# Altium PCB KASLI-DIOT-CPU.PcbDoc (part 4 of 5)
Units mm, origin at the board's own origin, x right, y up, seen from the top; angles counter-clockwise.
Board outline 123.3 x 102 mm, 4 copper layers (Top Layer, Layer 1, Layer 2, Bottom Layer), stack 1.571 mm thick; 359 components, 345 nets, 1634 pads, 949 vias.
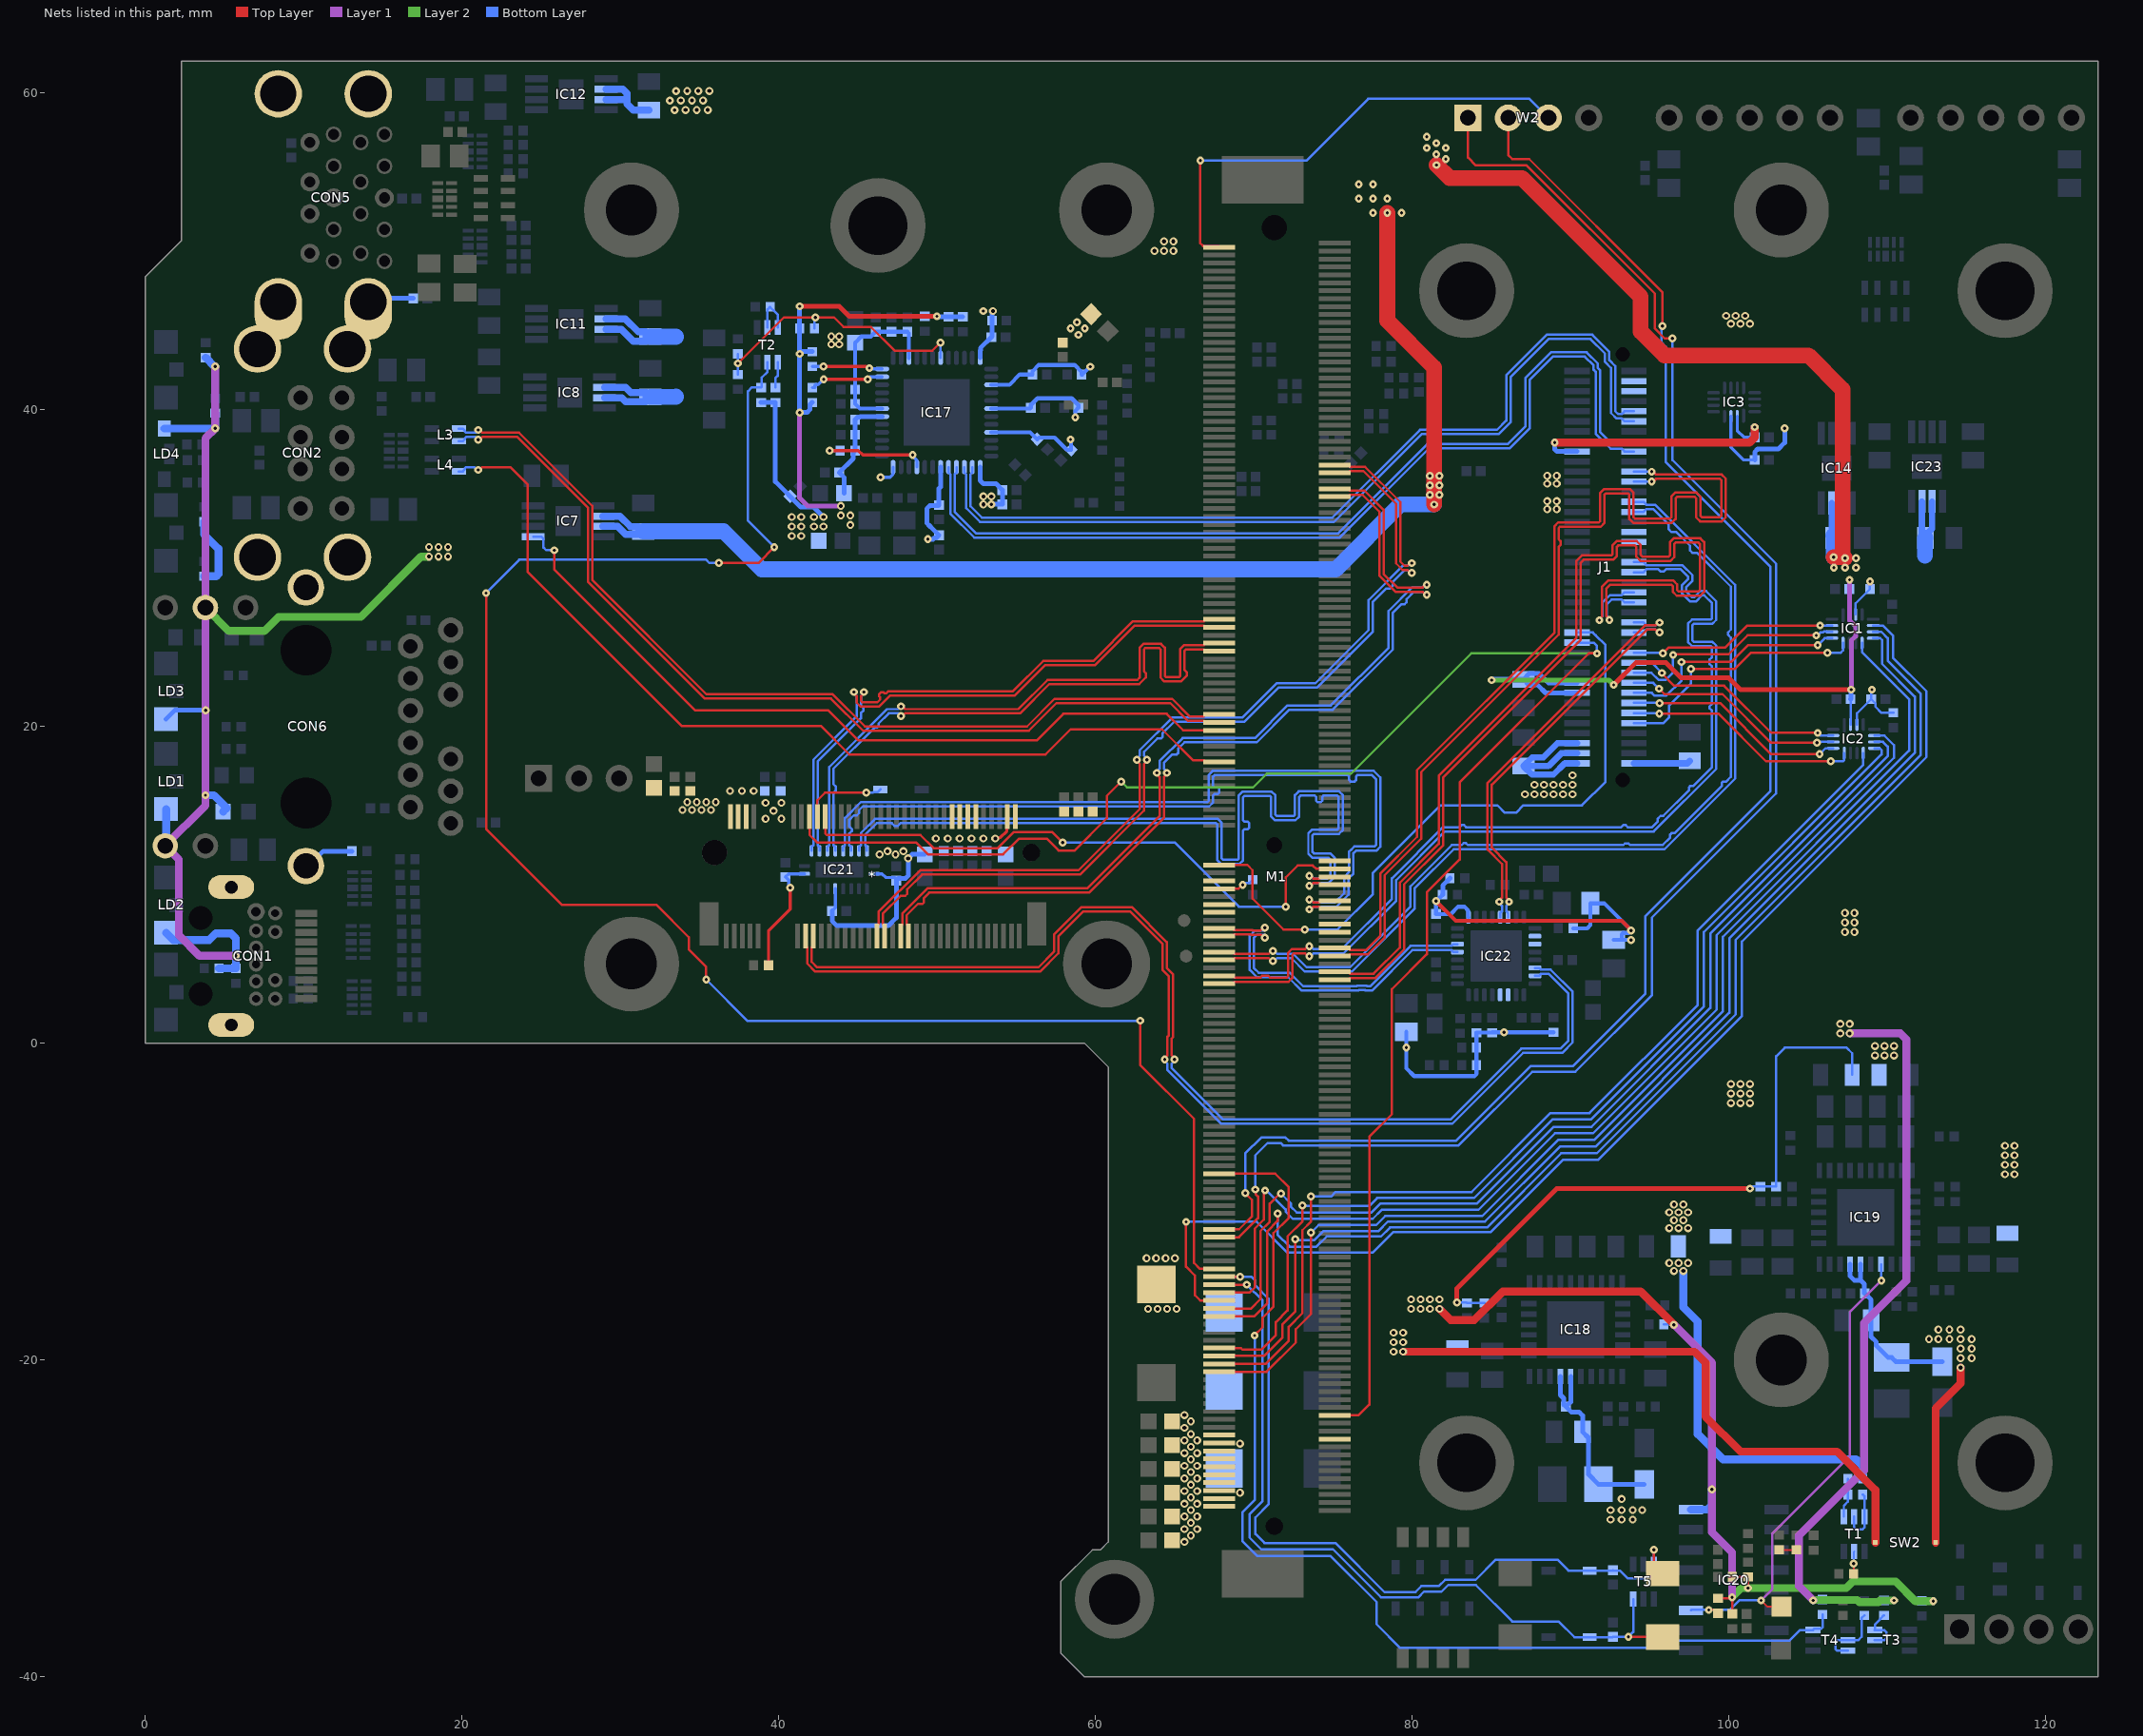
[diagram p6: the nets of this part, all layers, seen from the top]

## Via types
v1: diameter 0.5, hole 0.2, Top Layer to Bottom Layer, tented both sides, 514 vias
v2: diameter 0.5, hole 0.25, Top Layer to Bottom Layer, tented both sides, 262 vias
v3: diameter 0.5, hole 0.25, Top Layer to Bottom Layer, 130 vias
v4: diameter 0.5, hole 0.2, Top Layer to Bottom Layer, 43 vias

## Nets (pads, with @x,y where several pads share a name; then routed paths per layer and width w, separated by ;. In a path a pad name is that pad's centre, name@x,y a point inside that pad or via, vN(x,y) a via of type N, cw(c..) or ccw(c..) an arc to the next point about the centre after c; other vN are vias at no path point) (continued)
NetM1_P114: M1.P114 R94.1 T4.6 | length 69.9
  Top Layer w0.15: M1.P114@67.8,-8.25 71.35,-8.25 72.195,-9.095 72.195,-11.033 71.24,-11.989 71.24,-13.359 71.225,-13.374 71.225,-16.653 70.545,-17.333 70.545,-17.933 70.046,-18.433 v1(70.046,-18.458)
  Bottom Layer w0.15: v1(70.046,-18.458) 70.065,-18.477 70.065,-28.831 69.27,-29.626 69.27,-31.433 70.22,-32.383 74.845,-32.383 77.745,-35.283 77.745,-36.683 79.245,-38.183 95.595,-38.183 96.045,-37.733 103.795,-37.733 104.478,-37.05 T4.6@105.3,-37.05 105.382,-36.968 105.823,-36.968 105.911,-36.88 105.911,-36.081 R94.1@105.9,-36.07
NetR67_1: R67.1 R70.2 T1.4 | length 2.5
  Bottom Layer w0.15: T1.4@107.25,-29.9 107.25,-29.203 107.5,-28.953 R70.2@107.5,-28.5 R67.1@107.5,-27.5
NetR69_1: R69.1 T2.4 | length 1.7
  Bottom Layer w0.15: R69.1@39.787,41.387 39.787,41.983 39.937,42.134 T2.4@39.937,42.988
NetR70_1: R70.1 T1.5 T1.6 | length 3.6
  Bottom Layer w0.15: T1.5@107.9,-29.9 107.9,-30.588 108.02,-30.708 108.42,-30.708 108.55,-30.578 T1.6@108.55,-29.9 108.55,-28.61 R70.1@108.44,-28.5
NetR75_2: R75.2 T1.2 | length 1.4
  Top Layer w0.12: R75.2@107.87,-33.5 v1(107.87,-32.858)
  Bottom Layer w0.12: v1(107.87,-32.858) 107.87,-32.13 T1.2@107.9,-32.1
NetR80_2: R80.2 T2.2 T2.3 | length 2.9
  Bottom Layer w0.15: T2.2@39.287,45.188 39.287,46.317 R80.2@39.457,46.487 39.457,46.467 39.672,46.252 39.692,46.252 39.937,46.006 T2.3@39.937,45.188
NetR88_1: R88.1 T3.5 T3.6 | length 3.1
  Bottom Layer w0.15: T3.5@109.2,-37.7 109.209,-37.691 109.812,-37.691 109.945,-37.558 109.945,-37.208 109.812,-37.075 109.225,-37.075 T3.6@109.2,-37.05 109.21,-37.04 109.21,-36.713 109.56,-36.363 109.56,-36.343 109.775,-36.128 R88.1@109.795,-36.128
NetR92_2: R92.2 R96.1 | length 1.1
  Top Layer w0.12: R96.1@103.17,-31.998 R92.2@104.245,-31.998
NetR93_1: R93.1 T4.2 T4.3 | length 4.5
  Bottom Layer w0.15: T4.3@107.5,-38.35 106.812,-38.35 106.72,-38.258 106.72,-37.833 106.853,-37.7 T4.2@107.5,-37.7 108.153,-37.7 108.37,-37.483 108.37,-36.308 R93.1@108.545,-36.133
OPMODE_0: IC17.21 R29.2 | length 6.9
  Top Layer w0.2: v1(43.22,37.417) 45.02,37.417 45.306,37.131 v1(48.455,37.131)
  Bottom Layer w0.2: v1(43.22,37.417) R29.2@43.88,37.417 ; v1(48.455,37.131) 48.436,37.112 48.436,37.094 48.72,36.81 IC17.21@48.72,36.367
OPMODE_1: IC17.36 R36.1 | length 4.5
  Top Layer w0.2: v1(42.83,42.717) 45.539,42.717 45.639,42.617 v1(45.72,42.617)
  Bottom Layer w0.2: R36.1@42.12,42.717 v1(42.83,42.717) ; v1(45.72,42.617) 45.77,42.567 IC17.36@46.52,42.567
OPMODE_2: IC17.35 R37.1 | length 4.8
  Top Layer w0.2: v1(42.84,41.917) v1(45.62,41.917)
  Bottom Layer w0.2: R37.1@42.12,41.387 42.29,41.387 42.29,41.537 42.33,41.577 42.48,41.577 42.82,41.917 v1(42.84,41.917) ; v1(45.62,41.917) 45.77,42.067 IC17.35@46.52,42.067
P1V1: C65.2 C66.2 C67.2 C73.2 C74.2 C75.2 C76.2 C77.2 IC17.6 IC17.31 IC17.39 R71.2 | length 17.9
  Bottom Layer w0.254: IC17.31@46.52,40.067 45.12,40.067 C66.2@44.82,40.367 C73.2@44.82,44.217 45.219,44.616 45.819,44.616 C77.2@46.12,44.917 C74.2@48.12,44.917 48.22,44.817 IC17.39@48.22,43.267 ; IC17.6@53.42,40.067 55.87,40.067 C65.2@55.92,40.117 55.92,40.289 56.341,40.71 58.498,40.71 58.92,40.288 C75.2@58.92,40.117 58.72,39.917 v1(58.72,39.517)
  other v2: 109.22,-0.783 109.82,-0.783 110.42,-0.783 109.22,-0.183 109.82,-0.183 110.42,-0.183 40.82,32.017 41.42,32.017 40.82,32.617 41.42,32.617 40.82,33.217 41.42,33.217 88.52,33.717 89.12,33.717 88.52,34.217 89.12,34.217 43.32,44.117 43.82,44.117 43.32,44.617 43.82,44.617
P1V8: C14.2 C15.2 C81.2 C82.2 C87.2 C88.2 C89.2 C90.2 C140.2 C148.2 IC1.3 IC2.3 IC3.3 IC17.13 IC17.48 IC22.9 L19.1 L20.1 L21.1 R3.1 R58.2 R59.2 R68.2 R69.2 R72.2 R73.2 R79.2 R88.2 R94.2 R105.2 R106.2 R107.2 R108.2 R109.1 R110.1 R112.1 R114.1 | length 161.4
  Top Layer w0.254: v1(81.5,8.965) 82.748,7.717 93.22,7.717 v1(93.82,7.117)
  Top Layer w0.3: v1(82.82,-16.383) 82.82,-15.483 89.12,-9.183 v1(101.32,-9.183)
  Layer 1 w0.5: v1(105.32,-35.183) 104.42,-34.283 104.42,-31.083 108.52,-26.983 108.52,-17.683 111.197,-15.007 111.197,0.24 110.82,0.617 v2(107.62,0.617)
  Layer 2 w0.5: v1(105.32,-35.183) 105.345,-35.158 108.095,-35.158 108.22,-35.283 109.42,-35.283 109.52,-35.183 v1(110.42,-35.183)
  Bottom Layer w0.15: v1(82.82,-16.383) 83.423,-16.383 R58.2@83.45,-16.41 R59.2@84.55,-16.41 ; v1(101.32,-9.183) 101.443,-9.06 R72.2@101.975,-9.06 R73.2@102.975,-9.06 102.975,-0.828 103.52,-0.283 107.42,-0.283 107.775,-0.638 R79.2@107.775,-2 ; v1(105.32,-35.183) 105.847,-35.183 R94.2@105.9,-35.13 ; IC1.3@108,27.067 108,27.767 C15.2@108.9,28.667 v1(108.9,29.147) ; IC2.3@108.075,20.117 108.075,20.817 C14.2@108.975,21.717 ; v1(109.02,22.317) 108.975,22.272 C14.2@108.975,21.717 ; R88.2@109.795,-35.188 110.415,-35.188 v1(110.42,-35.183) ; R3.1@110.375,20.857 109.63,20.857 109.245,21.242 109.245,21.447 C14.2@108.975,21.717
  Bottom Layer w0.2: IC3.3@100.12,39.567 100.12,37.617 100.92,36.817 C148.2@101.62,36.817
  Bottom Layer w0.254: L19.1@79.62,0.717 v1(79.62,-0.283) 79.62,-1.583 80.12,-2.083 83.911,-2.083 84.06,-1.935 R112.1@84.06,-1.383 84.05,-1.373 R105.2@84.05,0.66 R108.2@85.05,0.66 85.067,0.677 v1(85.792,0.677) R107.2@88.92,0.677 ; R109.1@81.91,9.375 81.91,9.355 81.747,9.192 81.727,9.192 v1(81.5,8.965) C140.2@81.5,8.15 82.432,8.15 82.897,8.615 83.285,8.615 83.527,8.373 83.527,7.973 IC22.9@83.55,7.95 ; R106.2@90.165,7.25 91.053,7.25 91.25,7.447 L21.1@91.25,8.825 92.112,8.825 v1(93.82,7.117) 93.668,6.965 93.318,6.965 93.22,6.867 L20.1@93.22,6.517 ; L20.1@92.72,6.517 L20.1@93.22,6.517 ; v1(93.82,6.517) L20.1@93.22,6.517
  Bottom Layer w0.3: R68.2@38.887,40.447 R69.2@39.787,40.447 39.787,35.45 41.39,33.847 42.19,33.847 v3(42.82,33.217) ; IC17.13@52.72,36.367 52.72,35.517 52.92,35.317 53.72,35.317 C81.2@54.12,34.917 C90.2@54.12,34.017 v1(53.42,34.017) ; IC17.48@52.72,43.267 52.72,43.743 52.74,43.763 52.74,43.887 C82.2@53.42,44.567 53.47,44.617 C89.2@53.47,45.617 53.47,46.167 v3(53.52,46.217) ; R109.1@81.91,9.375 81.923,9.388 81.923,9.959 82.22,10.257 82.24,10.257 82.38,10.397 R110.1@82.38,10.417 ; C148.2@101.62,36.817 101.62,37.317 101.82,37.517 103.12,37.517 103.52,37.917 v1(103.52,38.817)
  other v1: 52.92,46.217
  other v2: 107.02,0.617 107.02,1.217 107.62,1.217 52.92,34.017 52.92,34.517 53.42,34.517 88.52,35.317 89.12,35.317 88.52,35.817 89.12,35.817
  other v3: 42.22,32.617 42.82,32.617 42.22,33.217
P2V5: C79.2 C80.2 C83.2 C84.2 C85.2 C86.2 IC17.3 IC17.9 R83.2 | length 13.7
  Bottom Layer w0.254: IC17.9@53.42,38.567 55.87,38.567 C79.2@56.32,38.117 56.436,38.232 57.416,38.232 58.195,37.453 C85.2@58.456,37.453 58.456,38.08 v1(58.42,38.117) ; IC17.3@53.42,41.567 54.57,41.567 55.22,42.217 C86.2@56.02,42.217 56.02,42.417 56.42,42.817 58.68,42.817 59.11,42.386 C80.2@59.11,42.217 59.174,42.217 v1(59.665,42.708)
  other v1: 58.92,44.717 58.42,45.117 59.32,45.117 58.82,45.517
  other v2: 100.12,-3.783 100.72,-3.783 101.32,-3.783 100.12,-3.183 100.72,-3.183 101.32,-3.183 100.12,-2.583 100.72,-2.583 101.32,-2.583 100.12,45.417 100.72,45.417 101.32,45.417 99.82,45.917 100.42,45.917 101.02,45.917 63.72,50.017 64.32,50.017 64.92,50.017 64.32,50.617 64.92,50.617
P2V5_KASLI: C18.2 IC3.2 J1.17 | length 18.1
  Top Layer w0.5: v1(88.995,37.917) 101.295,37.917 101.62,38.242 v1(101.62,38.892)
  Bottom Layer w0.2: IC3.2@100.52,39.567 100.52,38.667 100.945,38.242 C18.2@101.62,38.242
  Bottom Layer w0.3: v1(88.995,37.917) 88.995,37.492 89.134,37.352 J1.17@90.4,37.352
  Bottom Layer w0.4: C18.2@101.62,38.242 v1(101.62,38.892)
P3V3: *.2 *.4 *.12 *.14 *.16 *.18 *.70 *.72 *.74 C63.2 C64.2 C69.2 C70.2 C71.2 C72.2 C117.1 C118.1 C119.1 C120.1 C121.2 C122.2 C123.2 C124.2 C125.2 C126.2 C127.2 C128.2 C129.2 C130.2 C131.2 C132.2 C133.2 CON6.14 CON6.16 FB1.1 IC17.18 IC17.30 IC20.16 IC21.1 IC21.6 IC21.10 LD1.2 LD2.2 LD3.2 LD4.4 R23.1 R24.2 R25.1 R26.2 R28.2 R29.1 R32.2 R33.2 R36.2 R37.2 R46.2 R47.2 R48.2 R61.2 R87.2 R89.2 R95.1 R97.1 R99.1 R100.1 R101.1 | length 205.6
  Top Layer w0.12: v1(101.195,-34.408) v1@101.2,-34.403
  Top Layer w0.15: R100.1@99.3,-35.06 v1@100.024,-35.06 ; v1(100.195,-34.983) 100.2,-34.988 R99.1@100.2,-36.03 ; R95.1@100.21,-33.708 101.192,-33.708 R97.1@101.2,-33.7 v1@101.2,-34.403
  Top Layer w0.2: R101.1@39.36,4.917 39.36,7.107 40.715,8.462 v1(40.715,9.803) ; v2(53.67,12.917) 53.727,12.974 53.977,12.974 54.401,13.398 54.401,14.269 *.4@54.44,14.308
  Top Layer w0.3: v1(41.32,46.517) 43.82,46.517 44.45,45.887 49.982,45.887 v4(49.988,45.892)
  Top Layer w0.5: C119.1@59.82,14.617 C119.1@59.857,14.653 ; v2(81.72,-16.783) 82.42,-17.483 83.92,-17.483 85.72,-15.683 94.42,-15.683 v1(96.52,-17.783)
  Layer 1 w0.3: v1(41.32,39.817) 41.32,34.417 41.82,33.917 v3(43.92,33.917)
  Layer 1 w0.5: v1(4.42,42.717) v1(4.42,38.817) 3.8,38.197 CON6.16@3.8,27.5 v1(3.8,15.652) 3.8,15 CON6.14@1.26,12.46 2.12,11.6 2.12,6.817 3.42,5.517 v4(5.72,5.517) ; v1(96.52,-17.783) 98.92,-20.183 v1(98.92,-28.183) 98.92,-30.883 100.195,-32.158 v1(100.195,-34.983)
  Layer 2 w0.5: CON6.16@3.8,27.5 5.283,26.017 7.52,26.017 8.42,26.917 13.62,26.917 17.42,30.717 v3(17.92,30.717) ; v1(100.195,-34.983) 100.77,-34.408 v1(101.195,-34.408) 107.395,-34.408 107.82,-33.983 110.52,-33.983 111.77,-35.233 v1(112.895,-35.233)
  Bottom Layer w0.15: R61.2@95.89,-17.75 96.487,-17.75 v1(96.52,-17.783) ; R87.2@112.17,-35.218 112.88,-35.218 v1(112.895,-35.233)
  Bottom Layer w0.2: v1(40.715,9.803) 40.715,9.884 40.63,9.97 40.63,10.282 C132.2@40.42,10.492 40.62,10.692 IC21.10@41.62,10.692 ; C131.2@43.37,8.342 43.57,8.542 IC21.6@43.57,9.742 ; IC21.1@46.02,10.692 46.517,10.692 46.747,10.462 47.295,10.462 C133.2@47.42,10.337
  Bottom Layer w0.3: LD3.2@1.32,20.467 1.87,21.017 v1(3.82,21.017) ; v1(41.32,46.517) 41.32,43.717 v1@41.42,43.617 ; R37.2@42.12,40.447 42.1,40.447 41.96,40.307 41.96,39.992 41.784,39.817 v1(41.32,39.817) v1(41.32,43.517) v1@41.42,43.617 ; R36.2@42.12,43.657 41.46,43.657 v1@41.42,43.617 ; C131.2@43.37,8.342 43.37,7.717 43.67,7.417 46.92,7.417 47.42,7.917 C133.2@47.42,10.267 47.548,10.395 47.994,10.395 48.17,10.571 v2(48.17,11.667) 48.42,11.917 C120.1@49.22,11.917 ; C69.2@44.12,34.717 44.12,35.717 C70.2@43.82,36.017 44.702,36.898 44.702,37.298 R29.1@44.82,37.417 C72.2@44.82,38.417 C63.2@44.82,39.367 44.98,39.527 45.116,39.527 45.156,39.567 IC17.30@46.52,39.567 ; R23.1@49.22,45.887 49.982,45.887 v4(49.988,45.892) 50.023,45.857 R25.1@50.72,45.857 R32.2@51.62,45.857 ; v1(49.42,31.817) 49.747,31.817 49.837,31.907 49.96,31.907 C71.2@50.12,32.067 49.7,32.487 49.698,32.487 49.54,32.645 49.54,32.647 49.346,32.84 49.346,33.743 49.536,33.932 50.086,33.932 C64.2@50.12,33.967 50.12,35.006 50.22,35.106 IC17.18@50.22,36.367
  Bottom Layer w0.5: LD4.4@1.2,38.8 4.403,38.8 v1(4.42,38.817) R47.2@4.42,39.777 ; CON6.14@1.26,12.46 1.32,12.52 LD1.2@1.32,14.767 ; LD2.2@1.32,6.967 1.77,6.517 4.043,6.517 4.463,6.937 5.4,6.937 5.72,6.617 v4(5.72,5.517) R46.2@5.72,4.717 R24.2@4.66,4.717 ; R28.2@3.72,32.917 3.72,32.117 4.62,31.217 4.62,29.617 4.48,29.477 R48.2@3.72,29.477 3.8,29.397 CON6.16@3.8,27.5 ; v1(3.8,15.652) 4.335,15.652 5.145,14.842 FB1.1@4.92,14.617 ; R26.2@3.82,43.277 4.38,42.717 v1(4.42,42.717) ; IC20.16@97.6,-29.455 98.627,-29.455 98.92,-29.162 v1(98.92,-28.183)
  other v2: 79.92,-16.783 80.52,-16.783 81.12,-16.783 79.92,-16.183 80.52,-16.183 81.12,-16.183 81.72,-16.183 117.42,-8.283 118.02,-8.283 117.42,-7.683 118.02,-7.683 117.42,-7.083 118.02,-7.083 117.42,-6.483 118.02,-6.483 46.37,11.917 47.37,11.917 46.87,12.117 47.87,12.117 49.92,12.917 50.67,12.917 51.42,12.917 52.17,12.917 52.92,12.917 39.17,14.167 40.17,14.167 39.67,14.667 33.92,14.717 34.52,14.717 35.12,14.717 35.72,14.717 39.17,15.167 40.17,15.167 34.22,15.217 34.82,15.217 35.42,15.217 36.02,15.217 36.92,15.917 37.67,15.917 38.42,15.917
  other v3: 18.52,30.717 19.12,30.717 17.92,31.317 18.52,31.317 19.12,31.317 44.52,32.717 43.92,33.317 44.52,33.317
P3V3_KASLI: C11.2 C16.2 C17.2 IC1.2 IC2.2 J1.63 J1.65 | length 45.3
  Top Layer w0.3: v1(92.72,22.617) 94.12,24.017 96.02,24.017 96.964,23.073 99.972,23.073 100.728,22.317 v1(107.72,22.317)
  Layer 1 w0.3: v1(107.61,29.249) 107.62,29.249 107.62,26.677 107.99,26.307 107.99,25.687 107.72,25.417 v1(107.72,22.317)
  Layer 2 w0.3: v1(85.02,22.917) 92.42,22.917 v1(92.72,22.617)
  Bottom Layer w0.15: IC1.2@107.6,27.067 C17.2@107.6,28.667 ; IC2.2@107.675,20.117 C16.2@107.675,21.717
  Bottom Layer w0.3: v1(85.02,22.917) 85.07,22.967 C11.2@87.02,22.967 ; 87.745,23.342 87.395,23.342 C11.2@87.02,22.967 ; 87.746,23.342 87.994,23.342 88.589,22.747 J1.63@90.4,22.747 ; J1.65@90.4,22.112 88.424,22.112 87.926,22.611 87.376,22.611 C11.2@87.02,22.967 ; C17.2@107.6,28.667 107.61,28.677 v1(107.61,29.249) ; C16.2@107.675,21.717 107.698,21.739 107.698,22.294 v1(107.72,22.317)
P5V0_MP: C13.2 J1.80 | length 3.6
  Bottom Layer w0.4: J1.80@94,17.667 97.371,17.667 C13.2@97.52,17.817
P5V0_SMARC: C1.1 C2.1 C3.1 C4.1 C5.2 C6.2 C7.2 C8.2 C9.2 C10.2 M1.P147 M1.P148 M1.P149 M1.P150 M1.P151 M1.P152 M1.P153 M1.P154 M1.P155 M1.P156 R57.2 R67.2 | length 22.7
  Bottom Layer w0.5: v2(97.12,-14.383) 97.12,-16.683 98.02,-17.583 98.02,-24.683 99.62,-26.283 108.02,-26.283 108.44,-26.703 R67.2@108.44,-27.5
  other v2: 65.62,-31.483 66.02,-31.083 65.62,-30.683 66.42,-30.683 66.02,-30.283 65.62,-29.883 66.42,-29.883 66.02,-29.483 65.62,-29.083 66.42,-29.083 66.02,-28.683 69.12,-28.383 65.62,-28.283 66.42,-28.283 66.02,-27.883 65.62,-27.483 66.42,-27.483 66.02,-27.083 65.62,-26.683 66.42,-26.683 66.02,-26.283 65.62,-25.883 66.42,-25.883 66.02,-25.483 69.12,-25.283 65.62,-25.083 66.42,-25.083 66.02,-24.683 65.62,-24.283 66.02,-23.883 65.62,-23.483 63.32,-16.783 63.92,-16.783 64.52,-16.783 65.12,-16.783 96.52,-14.383 96.22,-13.883 96.82,-13.883 97.42,-13.883 63.22,-13.583 63.82,-13.583 64.42,-13.583 65.02,-13.583 96.22,-11.683 96.82,-11.683 97.42,-11.683 96.52,-11.183 97.12,-11.183 96.22,-10.683 96.82,-10.683 97.42,-10.683 96.52,-10.183 97.12,-10.183
P5V0_USB: C28.2 C31.2 C37.2 C40.2 C134.2 C137.2 IC7.2 IC7.3 IC8.2 IC8.3 IC11.2 IC11.3 IC12.2 IC12.3 IC14.2 IC14.3 IC23.2 IC23.3 R64.2 SW2.1 | length 192.9
  Top Layer w0.5: v2(79.42,-19.483) 97.82,-19.483 98.52,-20.183 98.52,-23.583 100.72,-25.783 106.82,-25.783 109.245,-28.208 SW2.1@109.245,-31.533
  Top Layer w1: v1(78.42,52.417) 78.42,45.617 81.378,42.658 v1(81.378,34.004) ; v1(81.531,55.442) 82.357,54.617 86.92,54.617 94.42,47.117 94.42,44.917 95.92,43.417 105.02,43.417 107.166,41.271 107.166,30.771 v1(107.32,30.617) 107.263,30.674 v1(106.604,30.674)
  Bottom Layer w0.4: C137.2@106.475,32.025 IC14.3@106.475,34.1 ; C137.2@106.6,32.075 107.125,32.6 IC14.2@107.125,34.1 ; IC23.3@112.175,34.2 112.175,32.125 C134.2@112.4,31.9 112.4,32.075 112.825,32.5 IC23.2@112.825,34.2
  Bottom Layer w0.45: IC7.3@28.9,32.625 29.83,32.625 30.334,32.121 31.25,32.121 C31.2@31.445,32.317 ; IC7.2@28.9,33.275 29.962,33.275 30.62,32.617 C31.2@31.145,32.617 ; IC8.3@29,40.75 30.087,40.75 30.336,40.5 C28.2@31.6,40.5 ; IC8.2@29,41.4 30.333,41.4 30.675,41.058 31.642,41.058 C28.2@31.9,40.8 ; IC11.3@29.1,45.075 30.062,45.075 30.825,44.312 31.612,44.312 C37.2@31.9,44.6 31.6,44.9 31.137,44.9 30.312,45.725 IC11.2@29.1,45.725 ; IC12.3@29.1,59.575 30.41,59.575 ; IC12.2@29.1,60.225 30.143,60.225 30.41,59.958 30.41,59.575 ; C40.2@31.8,58.9 30.801,58.9 30.41,59.29 30.41,59.575
  Bottom Layer w1: C31.2@31.445,32.317 33.52,32.317 36.52,32.317 38.92,29.917 75.169,29.917 79.269,34.017 81.366,34.017 v1(81.378,34.004) ; C28.2@31.9,40.8 33.503,40.8 33.52,40.817 ; C37.2@31.9,44.6 33.507,44.6 33.519,44.588 ; C137.2@106.575,32.025 106.604,31.996 v1(106.604,30.674) ; 112.375,30.777 112.375,31.875 C134.2@112.4,31.9
  other v1: 106.62,30.017 107.32,30.017 108.02,30.017 108.02,30.617 81.12,34.617 81.72,34.617 81.12,35.217 81.72,35.217 81.12,35.817 81.72,35.817 77.52,52.417 79.32,52.417 76.62,53.317 77.52,53.317 78.42,53.317 76.62,54.217 77.52,54.217 82.12,55.817 81.52,56.117 80.92,56.517 82.12,56.517 81.52,56.817 80.92,57.217 33.42,58.917 33.12,59.517 33.52,60.117
  other v2: 78.82,-19.483 78.82,-18.883 79.42,-18.883 78.82,-18.283 79.42,-18.283 107.32,7.017 107.92,7.017 107.32,7.617 107.92,7.617 107.32,8.217 107.92,8.217 34.12,58.917 34.82,58.917 35.52,58.917 33.82,59.517 34.52,59.517 35.22,59.517 34.22,60.117 34.92,60.117 35.62,60.117
P12V0_KASLI: C12.2 C93.1 C94.1 C95.2 C96.2 C106.1 C107.1 C108.2 C109.2 IC18.28 IC18.29 IC19.28 IC19.29 J1.75 J1.77 J1.79 SW2.3 | length 47.9
  Top Layer w0.5: SW2.3@113.045,-31.533 113.045,-23.058 114.62,-21.483 v2(114.62,-20.483)
  Bottom Layer w0.3: IC18.29@89.35,-21.05 89.35,-22.213 89.565,-22.428 89.565,-22.815 C109.2@89.7,-22.95 ; IC18.28@90,-21.05 90,-22.65 C109.2@89.7,-22.95 ; C107.1@94.65,-27.85 C106.1@91.75,-27.85 91.12,-27.22 91.12,-24.92 C108.2@90.75,-24.55 90.75,-23.513 90.52,-23.283 90.033,-23.283 C109.2@89.7,-22.95 ; IC19.29@107.65,-13.963 107.65,-14.713 107.9,-14.963 108.3,-14.963 ; IC19.28@108.3,-13.963 108.3,-14.963 ; C94.1@113.475,-20.1 110.525,-20.1 C93.1@110.275,-19.85 110.05,-19.85 109.3,-19.1 109.3,-18.875 108.975,-18.55 C95.2@108.975,-17.5 108.975,-16.2 C96.2@108.575,-15.8 108.552,-15.777 108.552,-15.216 108.3,-14.963
  Bottom Layer w0.4: J1.79@90.4,17.667 89.63,17.667 88.917,16.954 87.557,16.954 C12.2@87.02,17.492 ; J1.77@90.4,18.302 89.406,18.302 88.595,17.492 C12.2@87.02,17.492 ; J1.75@90.4,18.937 89.166,18.937 88.27,18.042 87.57,18.042 C12.2@87.02,17.492
  other v2: 92.52,-30.083 93.22,-30.083 93.92,-30.083 92.52,-29.483 93.22,-29.483 93.92,-29.483 94.52,-29.483 93.22,-28.783 114.62,-19.883 115.32,-19.883 114.62,-19.283 115.32,-19.283 112.62,-18.683 113.22,-18.683 113.92,-18.683 114.62,-18.683 115.32,-18.683 113.22,-18.083 113.92,-18.083 114.62,-18.083 87.12,15.717 87.72,15.717 88.32,15.717 88.92,15.717 89.52,15.717 90.12,15.717 87.72,16.317 88.32,16.317 88.92,16.317 89.52,16.317 90.12,16.317 90.12,16.917
PCIe1_CLK_N: IC22.14 J1.54 | length 25.4
  Top Layer w0.15: v1(86.11,8.925) 86.11,9.013 85.935,9.188 85.935,11.425 85.02,12.34 85.02,16.317 94.808,26.105 95.357,26.105 95.532,25.93 v1(95.62,25.93)
  Bottom Layer w0.15: IC22.14@86.05,7.95 86.05,8.2 85.935,8.315 85.935,8.655 86.11,8.83 v1(86.11,8.925) ; J1.54@94,25.922 94.6,25.922 94.783,26.105 95.35,26.105 95.525,25.93 v1(95.62,25.93)
PCIe1_CLK_P: IC22.13 J1.52 | length 25.9
  Top Layer w0.15: v1(85.49,8.925) 85.49,9.013 85.665,9.188 85.665,11.313 84.75,12.228 84.75,16.428 94.697,26.375 95.357,26.375 95.532,26.55 v1(95.62,26.55)
  Bottom Layer w0.15: v1(85.49,8.925) 85.49,8.83 85.665,8.655 85.665,8.315 85.55,8.2 IC22.13@85.55,7.95 ; J1.52@94,26.557 94.6,26.557 94.783,26.375 95.35,26.375 95.525,26.55 v1(95.62,26.55)
PCIe1_rst_3V3: J1.53 M1.P75 | length 42.9
  Top Layer w0.15: M1.P75@67.8,11.25 69.584,11.25 69.911,10.924 69.911,9.126 71.87,7.167 v1(73.22,7.167)
  Bottom Layer w0.15: v1(73.22,7.167) 75.27,7.167 77.52,9.417 77.52,10.754 81.783,15.017 85.374,15.017 85.846,14.545 86.548,14.545 87.02,15.017 90.713,15.017 92.195,16.499 92.195,25.133 91.586,25.741 91.405,25.922 J1.53@90.4,25.922
PCIe1_RX_N: J1.28 M1.P87 | length 59.7
  Top Layer w0.15: M1.P87@67.8,5.25 68.65,5.25 68.765,5.365 70.932,5.365 71.107,5.19 v1(71.195,5.19)
  Bottom Layer w0.15: v1(71.195,5.19) 71.283,5.19 71.458,5.365 72.372,5.365 73.209,4.528 76.19,4.528 80.163,8.501 80.163,9.79 82.615,12.242 95.927,12.242 100.39,16.705 100.39,28.928 95.323,33.995 94.783,33.995 94.6,34.177 J1.28@94,34.177
PCIe1_RX_P: J1.30 M1.P86 | length 59.7
  Top Layer w0.15: M1.P86@67.8,5.75 68.65,5.75 68.765,5.635 70.932,5.635 71.107,5.81 v1(71.195,5.81)
  Bottom Layer w0.15: v1(71.195,5.81) 71.283,5.81 71.458,5.635 72.484,5.635 73.32,4.798 76.078,4.798 79.893,8.613 79.893,9.902 82.503,12.512 83.129,12.512 83.242,12.625 83.386,12.625 83.499,12.512 93.334,12.512 93.431,12.608 93.643,12.608 93.739,12.512 95.815,12.512 96.282,12.979 96.282,13.164 96.37,13.252 96.555,13.252 99.537,16.234 99.537,16.431 99.625,16.519 99.822,16.519 100.12,16.817 100.12,25.596 99.943,25.773 99.943,25.938 100.12,26.115 100.12,28.817 97.991,30.946 97.702,30.946 97.536,31.112 97.536,31.4 96.672,32.264 96.365,32.264 96.188,32.442 96.188,32.749 95.212,33.725 94.783,33.725 94.6,33.542 J1.30@94,33.542
PCIe1_TX_N: J1.40 M1.P90 | length 59.7
  Top Layer w0.15: M1.P90@67.8,3.75 68.65,3.75 68.765,3.865 72.177,3.865 72.423,4.111 72.423,5.579 72.511,5.667 73.232,5.667 73.407,5.492 v1(73.495,5.492)